# KiCad board bitdoglab_smd.kicad_pcb
title: BitDogLab SMD version; date: 2024-02-22; rev: v5.1; company: Universidade Estadual de Campinas (Unicamp)*/Hardware Innovation Technologies (HwIT)**; note: Juliano Rodrigues Fernandes de Oliveira**; note: Bruno Cesar de Camargo Angeli**; note: Pedro Ivo Aragão Guimarães*; note: Fabiano Fruett*
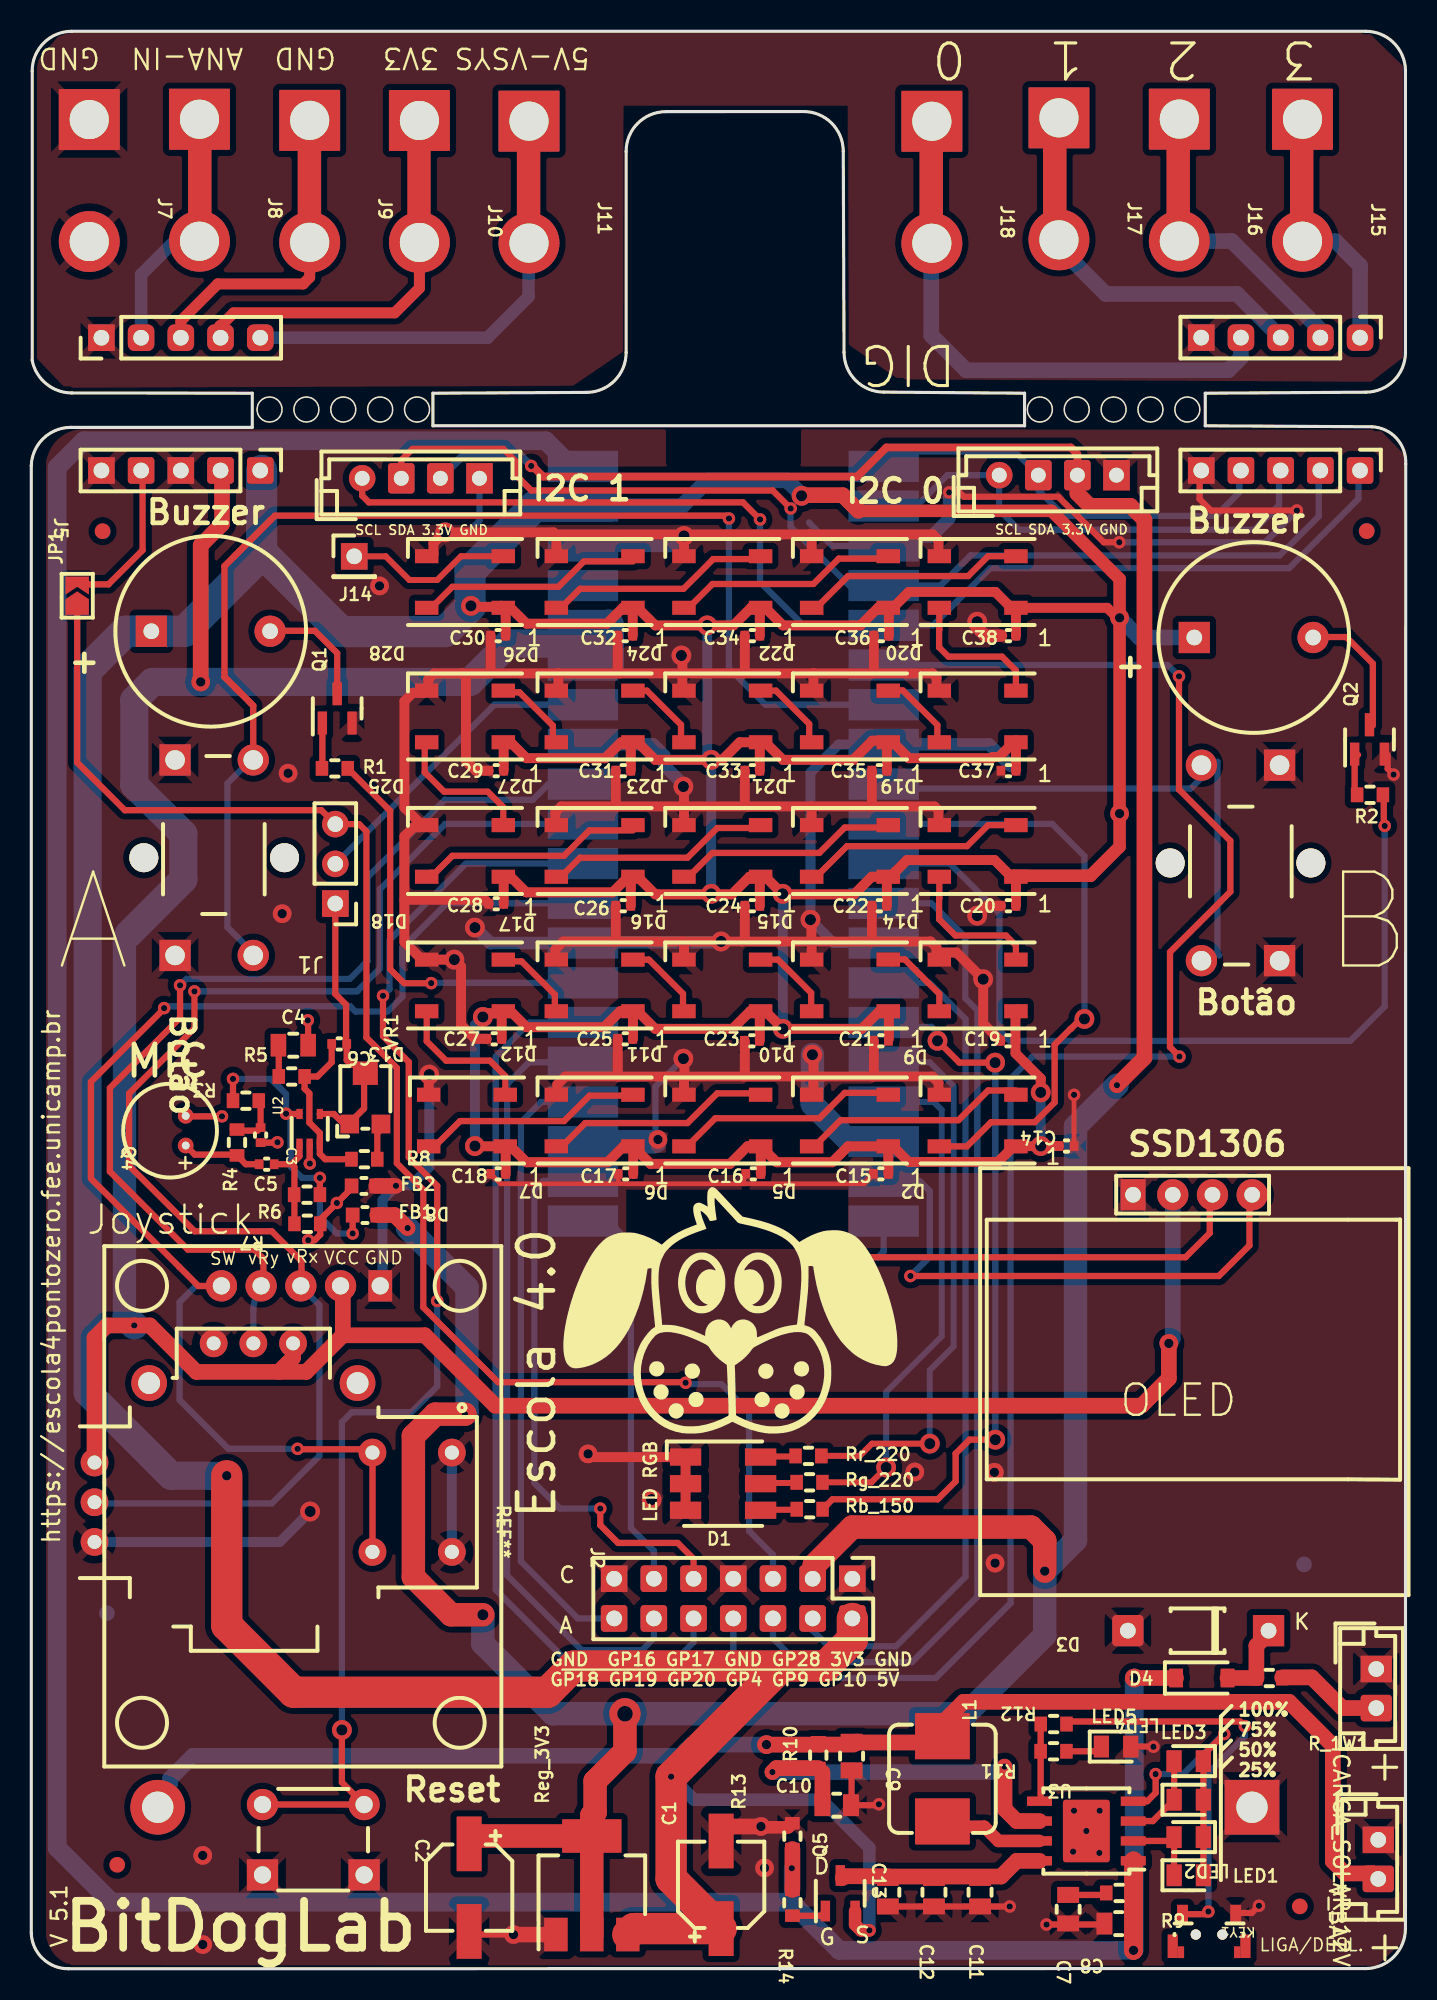
[diagram p0: board, top side]
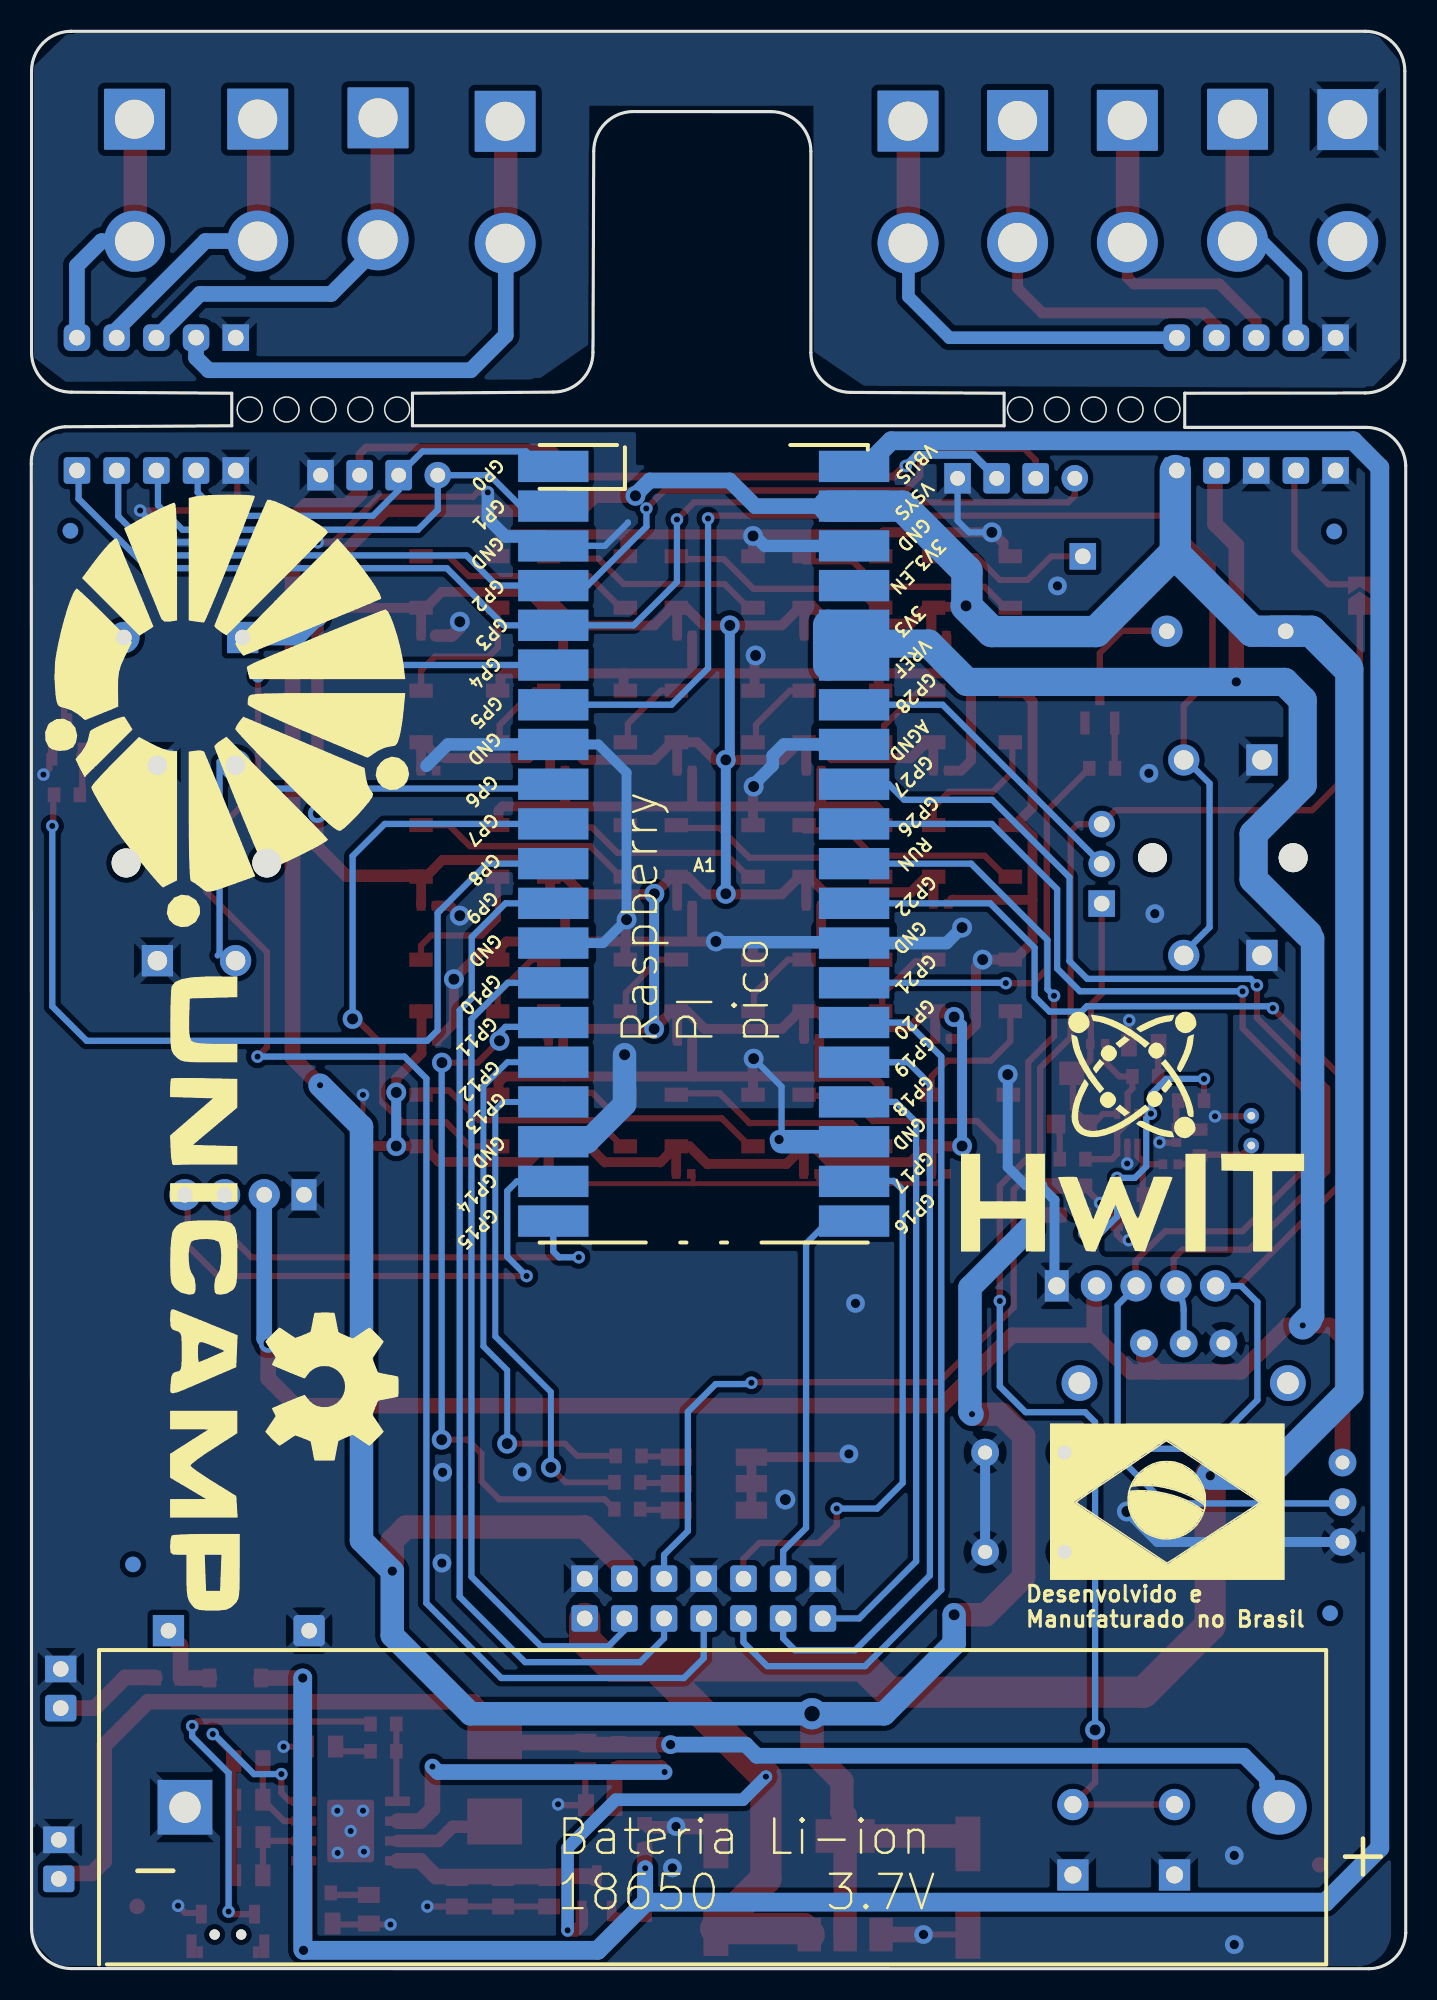
[diagram p1: board, bottom side, seen from below]

Outline 87.92 x 123.89 mm; copper layers: Top, Bottom. Coordinates in mm from the lower left corner of the outline.
Outline path: circle c15.24,99.7 r0.8 ; circle c17.6,99.7 r0.8 ; circle c19.96,99.7 r0.8 ; circle c22.32,99.7 r0.8 ; circle c24.68,99.7 r0.8 ; circle c64.52,99.7 r0.8 ; circle c66.88,99.7 r0.8 ; circle c69.24,99.7 r0.8 ; circle c71.59,99.7 r0.8 ; circle c73.95,99.7 r0.8 ; 0,96.11 arc(0.77,97.85) 2.53,98.56 14.14,98.56 14.14,100.75 2.6,100.76 arc(0.96,101.35) 0.06,102.84 0.06,121.35 arc(0.8,123.15) 2.6,123.89 85.37,123.89 arc(87.16,123.15) 87.91,121.35 87.91,103.35 arc(87.16,101.56) 85.37,100.81 75.1,100.75 75.1,98.66 85.75,98.6 arc(87.33,97.87) 87.92,96.22 87.91,2.57 arc(87.16,0.77) 85.37,0.01 2.39,0 arc(0.73,0.65) 0,2.28 0,96.11 ; 25.69,100.75 25.69,98.66 63.54,98.66 63.54,100.75 54.53,100.82 arc(52.74,101.56) 51.99,103.36 51.94,116.22 arc(51.2,118.01) 49.4,118.76 40.59,118.75 arc(38.8,118.01) 38.05,116.21 38.05,103.34 arc(37.31,101.54) 35.51,100.8 25.69,100.75

## Placement (name value [footprint] x y rotation side)
.  LOGO  [Brasil_4]  15.25 29.88 180 bottom
.#2  LOGO  [1Logo]  17.47 53.51 180 bottom
.#3  LOGO  [unicamp V2A]  76.22 56.03 90 bottom
A1  SC0918  [RPi_PicoW_SMD_TH]  44.91 71.94 0 bottom
BT1  Battery_Cell  [BatteryHolder_MPD_BH-18650-PC2]  8.09 10.33 180 bottom
BZ1  Buzzer_A  [Buzzer_12x9.5RM7.6#2]  7.68 85.53 0 top
BZ3  Buzzer_B  [Buzzer_12x9.5RM7.6#2]  74.4 85.13 0 top
C1  C_Polarized_Small  [CP_Elec_5x5.9]  44.13 5.37 90 top
C2  C_Polarized_Small  [CP_Elec_5x5.9]  28.01 5.19 270 top
C3  0.1µF  [C_0402_1005Metric]  14.67 53.31 270 top
C4  10uF  [C_0805_2012Metric]  16.76 59.06 0 top
C5  0.01uF  [C_0402_1005Metric]  15.06 51.45 0 top
C6  100pF  [C_0402_1005Metric]  19.7 59.14 180 top
C7  10u  [R_0805_2012Metric]  66.33 3.81 270 top
C8  10u  [R_0805_2012Metric]  69.56 2.89 180 top
C9  10u  [R_0805_2012Metric]  52.47 13.6 270 top
C10  10u  [R_0805_2012Metric]  51.52 10.46 0 top
C11  22u  [R_0805_2012Metric]  60.69 4.89 270 top
C12  22u  [R_0805_2012Metric]  57.74 4.89 270 top
C13  22u  [R_0805_2012Metric]  54.79 4.89 270 top
C14  0.1µF  [C_0402_1005Metric]  66.23 52.61 180 top
C15  0.1µF  [C_0402_1005Metric]  54.35 50.83 0 top
C16  0.1µF  [C_0402_1005Metric]  46.19 50.83 0 top
C17  0.1µF  [C_0402_1005Metric]  38.03 50.83 0 top
C18  0.1µF  [C_0402_1005Metric]  29.87 50.83 0 top
C19  0.1µF  [C_0402_1005Metric]  62.48 59.34 0 top
C20  0.1µF  [C_0402_1005Metric]  62.51 67.97 0 top
C21  0.1µF  [C_0402_1005Metric]  54.35 59.34 0 top
C22  0.1µF  [C_0402_1005Metric]  54.25 67.97 0 top
C23  0.1µF  [C_0402_1005Metric]  46.1 59.34 0 top
C24  0.1µF  [C_0402_1005Metric]  46.12 67.97 0 top
C25  0.1µF  [C_0402_1005Metric]  38 59.46 0 top
C26  0.1µF  [C_0402_1005Metric]  37.87 67.97 0 top
C27  0.1µF  [C_0402_1005Metric]  29.61 59.46 0 top
C28  0.1µF  [C_0402_1005Metric]  29.74 68.1 0 top
C29  0.1µF  [C_0402_1005Metric]  29.74 76.61 0 top
C30  0.1µF  [C_0402_1005Metric]  29.87 85.25 0 top
C31  0.1µF  [C_0402_1005Metric]  37.87 76.61 0 top
C32  0.1µF  [C_0402_1005Metric]  38 85.25 0 top
C33  0.1µF  [C_0402_1005Metric]  46.12 76.61 0 top
C34  0.1µF  [C_0402_1005Metric]  46.12 85.25 0 top
C35  0.1µF  [C_0402_1005Metric]  54.25 76.61 0 top
C36  0.1µF  [C_0402_1005Metric]  54.38 85.25 0 top
C37  0.1µF  [C_0402_1005Metric]  62.51 76.61 0 top
C38  0.1µF  [C_0402_1005Metric]  62.51 85.25 0 top
CARGA_SOLAR1  CARGA_SOLAR_12V  [JST_EH_B2B-EH-A_1x02_P2.50mm_Vertical]  86.04 19.17 270 top
D1  LED_RGB_SMD  [LED_RGB_5050-6]  44.25 31.02 0 top
D2  WS2812B  [LED_WS2812B_PLCC4_5.0x5.0mm_P3.2mm]  60.54 54.24 180 top
D3  1N5231  [D_T-1_P5.08mm_Horizontal]  77.15 21.62 180 top
D4  D_Schottky  [D_SOD-123]  74.88 18.59 0 top
D5  WS2812B  [LED_WS2812B_PLCC4_5.0x5.0mm_P3.2mm]  52.37 54.24 180 top
D6  WS2812B  [LED_WS2812B_PLCC4_5.0x5.0mm_P3.2mm]  44.2 54.24 180 top
D7  WS2812B  [LED_WS2812B_PLCC4_5.0x5.0mm_P3.2mm]  36.04 54.24 180 top
D8  WS2812B  [LED_WS2812B_PLCC4_5.0x5.0mm_P3.2mm]  27.87 54.24 180 top
D9  WS2812B  [LED_WS2812B_PLCC4_5.0x5.0mm_P3.2mm]  60.54 62.88 180 top
D10  WS2812B  [LED_WS2812B_PLCC4_5.0x5.0mm_P3.2mm]  52.37 62.88 180 top
D11  WS2812B  [LED_WS2812B_PLCC4_5.0x5.0mm_P3.2mm]  44.2 62.88 180 top
D12  WS2812B  [LED_WS2812B_PLCC4_5.0x5.0mm_P3.2mm]  36.04 62.88 180 top
D13  WS2812B  [LED_WS2812B_PLCC4_5.0x5.0mm_P3.2mm]  27.74 62.88 180 top
D14  WS2812B  [LED_WS2812B_PLCC4_5.0x5.0mm_P3.2mm]  60.54 71.48 180 top
D15  WS2812B  [LED_WS2812B_PLCC4_5.0x5.0mm_P3.2mm]  52.37 71.48 180 top
D16  WS2812B  [LED_WS2812B_PLCC4_5.0x5.0mm_P3.2mm]  44.2 71.48 180 top
D17  WS2812B  [LED_WS2812B_PLCC4_5.0x5.0mm_P3.2mm]  36.04 71.48 180 top
D18  WS2812B  [LED_WS2812B_PLCC4_5.0x5.0mm_P3.2mm]  27.74 71.48 180 top
D19  WS2812B  [LED_WS2812B_PLCC4_5.0x5.0mm_P3.2mm]  60.54 80.08 180 top
D20  WS2812B  [LED_WS2812B_PLCC4_5.0x5.0mm_P3.2mm]  60.54 88.67 180 top
D21  WS2812B  [LED_WS2812B_PLCC4_5.0x5.0mm_P3.2mm]  52.37 80.08 180 top
D22  WS2812B  [LED_WS2812B_PLCC4_5.0x5.0mm_P3.2mm]  52.37 88.67 180 top
D23  WS2812B  [LED_WS2812B_PLCC4_5.0x5.0mm_P3.2mm]  44.2 80.08 180 top
D24  WS2812B  [LED_WS2812B_PLCC4_5.0x5.0mm_P3.2mm]  44.2 88.67 180 top
D25  WS2812B  [LED_WS2812B_PLCC4_5.0x5.0mm_P3.2mm]  27.74 80.08 180 top
D26  WS2812B  [LED_WS2812B_PLCC4_5.0x5.0mm_P3.2mm]  36.04 88.67 180 top
D27  WS2812B  [LED_WS2812B_PLCC4_5.0x5.0mm_P3.2mm]  36.04 80.08 180 top
D28  WS2812B  [LED_WS2812B_PLCC4_5.0x5.0mm_P3.2mm]  27.74 88.67 180 top
FB1  FERRITE  [L_0603_1608Metric]  21.35 48.2 0 top
FB2  FERRITE  [L_0603_1608Metric]  21.28 50.06 0 top
FID1  Fiducial  [Fiducial_1mm_Mask2mm]  85.43 91.93 0 top
FID2  Fiducial  [Fiducial_1mm_Mask2mm]  81.15 3.99 0 top
FID3  Fiducial  [Fiducial_1mm_Mask2mm]  4.56 91.93 0 top
FID4  Fiducial  [Fiducial_1mm_Mask2mm]  5.5 6.65 0 top
FID5  Fiducial  [Fiducial_1mm_Mask2mm]  85.42 91.96 180 bottom
FID6  Fiducial  [Fiducial_1mm_Mask2mm]  4.58 91.91 180 bottom
FID7  Fiducial  [Fiducial_1mm_Mask2mm]  81.42 25.86 180 bottom
FID8  Fiducial  [Fiducial_1mm_Mask2mm]  4.84 22.74 180 bottom
G1  LOGO  [logo bitDog 25mm]  44.89 41.56 0 top
G3  -  [LOGO]  68.73 37.24 90 bottom
J1  Conn_01x03  [PinHeader_1x03_P2.54mm_Vertical]  19.45 68.11 180 top
J2  conector_idc  [PinHeader_2x07_P2.54mm_Vertical]  52.53 24.94 270 top
J5  Conn_01x05_Pin  [PinHeader_1x05_P2.54mm_Vertical#2]  14.65 95.81 270 top
J6  Conn_01x05_Pin  [PinHeader_1x05_P2.54mm_Vertical]  4.49 104.3 90 top
J7  GND  [SolderWire-2sqmm_1x02_P7.8mm_D2mm_OD3.9mm]  3.71 118.25 270 top
J8  ANA-IN  [SolderWire-2sqmm_1x02_P7.8mm_D2mm_OD3.9mm]  10.76 118.27 270 top
J9  GND  [SolderWire-2sqmm_1x02_P7.8mm_D2mm_OD3.9mm]  17.81 118.2 270 top
J10  3V3  [SolderWire-2sqmm_1x02_P7.8mm_D2mm_OD3.9mm]  24.83 118.19 270 top
J11  5V-VSYS  [SolderWire-2sqmm_1x02_P7.8mm_D2mm_OD3.9mm]  31.84 118.15 270 top
J12  Conn_01x05_Pin  [PinHeader_1x05_P2.54mm_Vertical#3]  85 95.81 270 top
J13  Conn_01x05_Pin  [PinHeader_1x05_P2.54mm_Vertical#3]  85 104.3 270 top
J14  Conn_01x01_Socket  [PinHeader_1x01_P2.54mm_Vertical]  20.66 90.32 0 top
J15  0  [SolderWire-2sqmm_1x02_P7.8mm_D2mm_OD3.9mm]  81.32 118.27 270 top
J16  1  [SolderWire-2sqmm_1x02_P7.8mm_D2mm_OD3.9mm]  73.44 118.28 270 top
J17  2  [SolderWire-2sqmm_1x02_P7.8mm_D2mm_OD3.9mm]  65.74 118.36 270 top
J18  3  [SolderWire-2sqmm_1x02_P7.8mm_D2mm_OD3.9mm]  57.61 118.14 270 top
J19  JOYSTICK  [ky-023]  30.07 46.21 270 top
J20  Conn_01x04_Pin  [JST_EH_B4B-EH-A_1x04_P2.50mm_Vertical]  21.17 95.31 0 top
J21  Conn_01x04_Pin  [JST_EH_B4B-EH-A_1x04_P2.50mm_Vertical]  61.92 95.51 0 top
JP1  SolderJumper_2_Open  [SolderJumper-2_P1.3mm_Open_TrianglePad1.0x1.5mm]  2.94 87.8 90 top
KEY1  TS24CA  [SW_SPST_CK_KMS2xxGP]  75.34 2.19 180 top
L1  1uH  [L_Bourns_SRP7028A_7.3x6.6mm]  58.28 12.15 90 top
LED1  25%  [LED_0805_2012Metric]  74.04 5.98 0 top
LED2  50%  [LED_0805_2012Metric]  74.04 8.42 180 top
LED3  75%  [LED_0805_2012Metric]  74.04 10.81 0 top
LED4  100%  [LED_0805_2012Metric]  74.04 13.28 180 top
LED5  PWR  [LED_0805_2012Metric]  69.39 14.21 0 top
OLED1  SSD1306  [128x64OLED]  74.1 38.89 0 top
Q1  BC817  [SOT-23]  19.57 80.59 90 top
Q2  BC817  [SOT-23]  85.6 78.6 90 top
Q4  CMA-4544PF-W  [Buzzer_12x9.5RM7.6]  8.88 53.59 270 top
Q5  DMG2305UX-13  [SOT-23-3]  51.75 4.83 90 top
R1  330  [R_0603_1608Metric#2]  19.42 76.76 0 top
R2  330  [R_0603_1608Metric#2]  85.64 75.07 0 top
R3  1K  [R_0603_1608Metric]  13.73 55.51 180 top
R4  1K  [R_0603_1608Metric]  13.16 52.84 90 top
R5  1K  [R_0603_1608Metric]  16.66 57.06 0 top
R6  1M  [R_0603_1608Metric]  17.64 49.5 0 top
R7  1M  [R_0603_1608Metric]  17.66 47.64 180 top
R8  22K  [R_0603_1608Metric]  21.31 51.77 0 top
R9  2R  [R_0603_1608Metric]  69.59 4.85 0 top
R10  2R  [R_0603_1608Metric]  50.34 13.66 90 top
R11  20R  [R_0603_1608Metric]  65.39 13.91 180 top
R12  10k  [R_0603_1608Metric]  65.4 15.65 180 top
R13  10k  [R_0603_1608Metric]  48.69 8.48 90 top
R14  0R  [R_0603_1608Metric]  48.69 4.22 270 top
R_1W1  100  [R_0603_1608Metric]  79.2 18.59 0 top
Rb_150  150  [R_0603_1608Metric]  49.8 29.38 0 top
REF**  JOYSTICK  [XDCR_COM-09032]  14.21 29.83 270 top
Reg_3V3  3.3v_smd  [SOT-223]  35.86 5.34 90 top
Rg_220  220  [R_0603_1608Metric]  49.79 31.1 0 top
Rr_220  220  [R_0603_1608Metric]  49.72 32.79 0 top
SW1  Reset  [SW_PUSH_6mm]  14.79 10.5 0 top
SW2  Botão  [SW_PUSH_6mm_b]  14.2 77.3 270 top
SW3  Button_B  [SW_PUSH_6mm_b]  74.85 64.46 90 top
U2  MAX4466EXK+T  [SOT-353_SC-70-5]  17.81 53.71 90 top
U3  IP5306  [SOP-8_5.28x5.23mm_P1.27mm]  67.49 8.81 180 top
V_BAT1  V_BAT  [JST_EH_B2B-EH-A_1x02_P2.50mm_Vertical]  86.16 8.24 270 top
VR1  TC33X-2-104E (100K)  [Potentiometer_Bourns_TC33X_Vertical]  21.37 55.81 90 top

## Library data of the parts
A1 = -: MAXIMUM_PACKAGE_HEIGHT: 3.73mm; PARTREV: 1.6; manufacturer: Raspberry Pi
BT1 = -: Description: Single-cell battery
BZ1 BZ3 = -: Description: Buzzer, polarized
C1 C2 = -: Description: Polarized capacitor, small symbol
C3-C6 C14-C38 = -: Description: Ceramic Capacitors0402 - 0402 Surface Mount Capacitors  16pF 50V 5% [Digikey: 445-4899-2-ND]  18pF 50V 5% [Digikey: 490-1281-2-ND]  22pF 50V 5% [Digikey: 490-1283-2-ND]  68pF 50V 5% [Digikey: 490-1289-2-ND]  0.1uF 10V 10% [Digikey: 490-1318-2-ND]  1.0uF 6.3V 10% [Digikey: 490-1320-2-ND]    0603 - 0603 Surface Mount Capacitors  16 pF 50V 5% [Digikey: 445-5051-2-ND]  22 pF 50V [Digikey: PCC220ACVTR-ND]  33 pF 50V 5% [Digikey: 490-1415-1-ND]  56pF 50V 5% [Digikey: 490-1421-1-ND]  220pF 50V 5% [Digikey: 445-1285-1-ND]  680 pF 50V   2200 pF 50V 5% C0G [Digikey: 445-1297-1-ND]  5600 pF 100V 5% X7R [Digikey: 478-3711-1-ND]  0.1 ÂµF 25V 10% [Digikey: PCC2277TR-ND]  0.22 ÂµF 16V 10% X7R [Digikey: 445-1318-1-ND]  1.0 ÂµF 25V 10% [Digikey: 445-5146-2-ND]    0603 - RF Specific  3pF 250V +/-0.1pF RF [Digikey: 712-1347-1-ND]  18 pF 250V 5%  [Digikey: 478-3505-1-ND or 712-1322-1-ND]  56 pF 250V 5% C0G RF [Digikey: 490-4867-1-ND]  68 pF 250V RF [Digikey: 490-4868-1-ND]    0805 - 0805 Surface Mount Capacitors  220 pF 250V 2% RF Ceramic Capacitor [Digikey: 712-1398-1-ND]  1000 pF 50V 2% NP0 Ceramic Capacitor [Digikey: 478-3760-1-ND]  0.1 ÂµF 25V 10% Ceramic Capacitor [Digikey: PCC1828TR-ND]  1.0 ÂµF 16V 10% Ceramic Capacitor[Digikey: 490-1691-2-ND]  10.0 ÂµF 10V 10% Ceramic Capacitor[Digikey: 709-1228-1-ND]  10.0 uF 16V 10% Ceramic Capacitor [Digikey: 478-5165-2-ND]  47 uF 6.3V 20% Ceramic Capacitor [Digikey: 587-1779-1-ND or 399-5506-1-ND]       1206 - 1206 Surface Mount Capacitors  47uF 10V 20% Ceramic Capacitor [Digikey: 490-5528-1-ND or 399-5508-1-ND or 445-6010-1-ND]  100uF 6.3V -20%, +80% Y5V Ceramic Capacitor (Digikey: 490-4512-1-ND, Mouser: 81-GRM31CF50J107ZE1L); DEVICENAME: 0805; DEVICESETNAME: CAP_CERAMIC; GATENAME_1: G$1; LIBRARYNAME: microbuilder; SYMBOLNAME_1: CAPACITOR
C7-C10 = -: MANUFACTURER: SAMSUNG; MANUFACTURER PART: CL21A106KAYNNNE; NAMEALIAS: Value(F); SPICEPRE: C; SPICESYMBOLNAME: Cap_0805_EU; SUPPLIER: LCSC; SUPPLIER PART: C15850
C11-C13 = -: MANUFACTURER: SAMSUNG; MANUFACTURER PART: CL21A226MAQNNNE; NAMEALIAS: Value(F); SPICEPRE: C; SPICESYMBOLNAME: Cap_0805_EU; SUPPLIER: LCSC; SUPPLIER PART: C45783
CARGA_SOLAR1 V_BAT1 = -: Description: Generic screw terminal, single row, 01x02, script generated (kicad-library-utils/schlib/autogen/connector/)
D1 = -: Description: RGB LED, 6 pin package
D2 D5-D28 = -: Description: RGB LED with integrated controller
D3 = -: Description: 5000mW Zener Diode, DO-201
D4 = -: Description: Schottky diode
FB1 FB2 = -: Description: Ferrite Bead   0603 MMZ1608B121C - 120 Ohm @ 100MHz, 600mA, 0.15 Ohm DC Resistance - Digikey: 445-2164-1-ND  BK1608HW121-T - 120 Ohm, 600mA Ferrite Chip - Digikey: 587-1876-2-ND       0805 HZ0805B272R-10 - 2.7K Ohm @ 100MHz, 200mA, 0.8 Ohm DC Resistance - Digikey: 240-2504-1-ND (see also Murata BLM21BD272SN1L)  MMZ2012Y152B - 1.5K Ohm @ 100MHz, 500mA, 0.4 Ohm DC Resistance - Digikey: 445-1560-1-ND - Mainly for high frequency (80-400MHz)  MMZ2012R102A - 1K Ohm @ 100MHz, 500mA, 0.3 Ohm DC Resistance - Digikey: 445-1555-2-ND - More general purpose (10-200MHz); DEVICENAME: 0805; GATENAME_1: G$1; LIBRARYNAME: microbuilder
FID1-FID8 = -: Description: Fiducial Marker
J1 = -: Description: Generic connector, single row, 01x03, script generated (kicad-library-utils/schlib/autogen/connector/)
J2 = -: Description: Generic connector, double row, 02x07, odd/even pin numbering scheme (row 1 odd numbers, row 2 even numbers), script generated (kicad-library-utils/schlib/autogen/connector/)
J5 J6 J12 J13 J19 = -: Description: Generic connector, single row, 01x05, script generated
J7-J11 J15-J18 = -: Description: Generic connector, single row, 01x02, script generated (kicad-library-utils/schlib/autogen/connector/)
J14 = -: Description: Generic connector, single row, 01x01, script generated
J20 J21 = -: Description: Generic connector, single row, 01x04, script generated
JP1 = -: Description: Solder Jumper, 2-pole, open
KEY1 = -: CONTRIBUTOR: LCSC; MANUFACTURER: SHOU HAN; SPICEPRE: S; SUPPLIER: LCSC; SUPPLIER PART: C393942
L1 = -: Description: Inductor, small symbol
LED1 = -: CONTRIBUTOR: LCSC; MANUFACTURER: NATIONSTAR; MANUFACTURER PART: FC-2012HRK-620D; SPICEPRE: L; SUPPLIER: LCSC; SUPPLIER PART: C84256
LED2 LED3 = -: CONTRIBUTOR: LCSC; MANUFACTURER: KENTO; MANUFACTURER PART: 17-21SUYC/TR8; SPICEPRE: L; SUPPLIER: LCSC; SUPPLIER PART: C2296
LED4 = -: CONTRIBUTOR: LCSC; MANUFACTURER: KENTO; MANUFACTURER PART: 0805G (Green); SPICEPRE: L; SUPPLIER: LCSC; SUPPLIER PART: C2297
LED5 = -: CONTRIBUTOR: LCSC; MANUFACTURER: Orient; MANUFACTURER PART: ORH-B35A; SPICEPRE: L; SUPPLIER: LCSC; SUPPLIER PART: C205441
OLED1 = -: Description: SSD1306 OLED
Q1 Q2 = -: Description: 0.8A Ic, 45V Vce, NPN Transistor, SOT-23
Q4 = -: Description: Electret microphone   Thru hole 2.54mm spacing with 9.7mm diameter; DEVICESETNAME: ELECTRET; GATENAME_1: G$1; LIBRARYNAME: microbuilder; SYMBOLNAME_1: ELECTRET
Q5 = -: Description: MOSFET P-CH 20V 4.2A SOT23; Category: Discrete Semiconductor Products; DK_Datasheet_Link: https://www.diodes.com/assets/Datasheets/DMG2305UX.pdf; DK_Detail_Page: /product-detail/en/diodes-incorporated/DMG2305UX-13/DMG2305UX-13DICT-ND/4251589; Digi-Key_PN: DMG2305UX-13DICT-ND; Family: Transistors - FETs, MOSFETs - Single; Manufacturer: Diodes Incorporated; Status: Active
R1 R2 R14 R_1W1 Rb_150 Rg_220 Rr_220 = -: Description: Resistor
R3-R8 = -: Description: Resistors0402 - 0402 Surface Mount Package  22 Ohm 1% 1/16W [Digikey: 311-22.0LRTR-ND]  33 Ohm 5% 1/16W  1.0K 5% 1/16W  1.5K 5% 1/16W  2.0K 1% 1/16W  10.0K 1% 1/16W [Digikey: 311-10.0KLRTR-ND]  10.0K 5% 1/16W [Digikey: RMCF0402JT10K0TR-ND]  12.1K 1% 1/16W [Digikey: 311-22.0LRTR-ND]  100.0K 5% 1/16W    0603 - 0603 Surface Mount Package  0 Ohm 1/10 Watt 1% Resistor  15 Ohm 1/10 Watt 1% Resistor  33 Ohm 1/10 Watt 1% Resistor  49.9 Ohm 1/10 Watt 1% Resistor  100 Ohm 1/10 Watt 1% Resistor  150 Ohm 1/10 Watt 1% Resistor  240 Ohm 1/10 Watt 1% Resistor  390 Ohm 1/10 Watt 1% Resistor  560 Ohm 1/10 Watt 1% Resistor  680 Ohm 1/10 Watt 1% Resistor  750 Ohm 1/10 Watt 1% Resistor  1.0K Ohm 1/10 Watt 1% Resistor  1.5K Ohm 1/10 Watt 1% Resistor  2.0K Ohm 1/10 Watt 1% Resistor  2.2K Ohm 1/10 Watt 1% Resistor  3.3K Ohm 1/10 Watt 1% Resistor  4.7K Ohm 1/10 Watt 1% Resistor  10.0K Ohm 1/10 Watt 1% Resistor  12.0K Ohm 1/10 Watt 1% Resistor  12.1K Ohm 1/10 Watt 1% Resistor  20.0K Ohm 1/10 Watt 1% Resistor  33.0K Ohm 1/10 Watt 1% Resistor  100.0K Ohm 1/10 Watt 1% Resistor    0805 - 0805 Surface Mount Package  0 Ohm 1/8 Watt 1% Resistor  33 Ohm 1/8 Watt 1% Resistor  100 Ohm 1/8 Watt 1% Resistor  150 Ohm 1/8 Watt 1% Resistor  200 Ohm 1/8 Watt 1% Resistor  240 Ohm 1/8 Watt 1% Resistor  330 Ohm 1/8 Watt 1% Resistor  390 Ohm 1/8 Watt 1% Resistor  470 Ohm 1/8 Watt 1% Resistor  1.0K Ohm 1/8 Watt 1% Resistor  1.5K Ohm 1/8 Watt 1% Resistor  2.0K Ohm 1/8 Watt 1% Resistor  4.7K Ohm 1/8 Watt 1% Resistor  5.1K Ohm 1/8 Watt 1% Resistor  5.6K Ohm 1/8 Watt 1% Resistor  10.0K Ohm 1/8 Watt 1% Resistor  22.0K Ohm 1/8 Watt 1% Resistor  33.0K Ohm 1/8 Watt 1% Resistor  100K Ohm 1/8 Watt 1% Resistor    1206 - 1206 Surface Mount Package  2012 - 2010 Surface Mount Package  0.11 Ohm 1/2 Watt 1% Resistor - Digikey: RHM.11UCT-ND; DEVICENAME: 0805; DEVICESETNAME: RESISTOR; GATENAME_1: G$1; LIBRARYNAME: microbuilder; SYMBOLNAME_1: RESISTOR
R9 R10 = -: MANUFACTURER: Guangdong Fenghua Advanced Tech; MANUFACTURER PART: RS-05L2R00FT; NAMEALIAS: Value(Ω); SPICEPRE: R; SPICESYMBOLNAME: Res_0805(1/8W)_EU; SUPPLIER: LCSC; SUPPLIER PART: C304864
R11 = -: MANUFACTURER: UniOhm; MANUFACTURER PART: 0805W8F200JT5E; NAMEALIAS: Value(Ω); SPICEPRE: R; SPICESYMBOLNAME: Res_0805(1/8W)_EU; SUPPLIER: LCSC; SUPPLIER PART: C17544
R12 R13 = -: MANUFACTURER: UniOhm; MANUFACTURER PART: 0805W8F1002T5E; NAMEALIAS: Value(Ω); SPICEPRE: R; SPICESYMBOLNAME: Res_0805(1/8W)_EU; SUPPLIER: LCSC; SUPPLIER PART: C17414
Reg_3V3 = -: Description: 800mA Low-Dropout Linear Regulator, adjustable output, TO-252
SW1-SW3 = -: Description: Push button switch, generic, two pins
U2 = -: Description: MAX4466 - Microphone Pre-Amp; -40-85C: -40-85C; 2.4-5.5V: 2.4-5.5V; DEVICENAME: ""; DEVICESETNAME: MAX4466; GATENAME_1: G$1; LIBRARYNAME: microbuilder; MAX4466: MAX4466; MICAMP: MIC AMP; SYMBOLNAME_1: MAX4466; TEMP: Temp:; VCC: VCC:
U3 = -: CONTRIBUTOR: LCSC; MANUFACTURER: INJOINIC; MANUFACTURER PART: IP5306_4.35V; SPICEPRE: U; SUPPLIER: LCSC; SUPPLIER PART: C384572
VR1 = -: Description: 3-Pin SMT Trimpots   Bourns TC33 (X-2) Series  10K - Digikey: TC33X-2-103E   100K - Digikey: TC33X-104ECT-ND       Bourns 3303 (W) Series  3mm 10K Single Turn - Digikey: 3303W-103ETR-ND   3mm 100K Single Turn - Digikey: 3303X-104ETR-ND; DEVICENAME: TC33X-2; DEVICESETNAME: TRIMPOT; GATENAME_1: G$1; LIBRARYNAME: microbuilder; SYMBOLNAME_1: POTENTIOMETER
